# Altium PCB Printing.PcbDoc (part 1 of 5)
Units mil, origin at the board's own origin, x right, y up, seen from the top; angles counter-clockwise.
Board outline 7490 x 7700 mil, 4 copper layers (Top Layer, 5v/3.3V, 24V, Bottom Layer), stack 23.756 mil thick; 442 components, 334 nets, 1379 pads, 508 vias.
Unrouted connection lines stored in the file: 151.
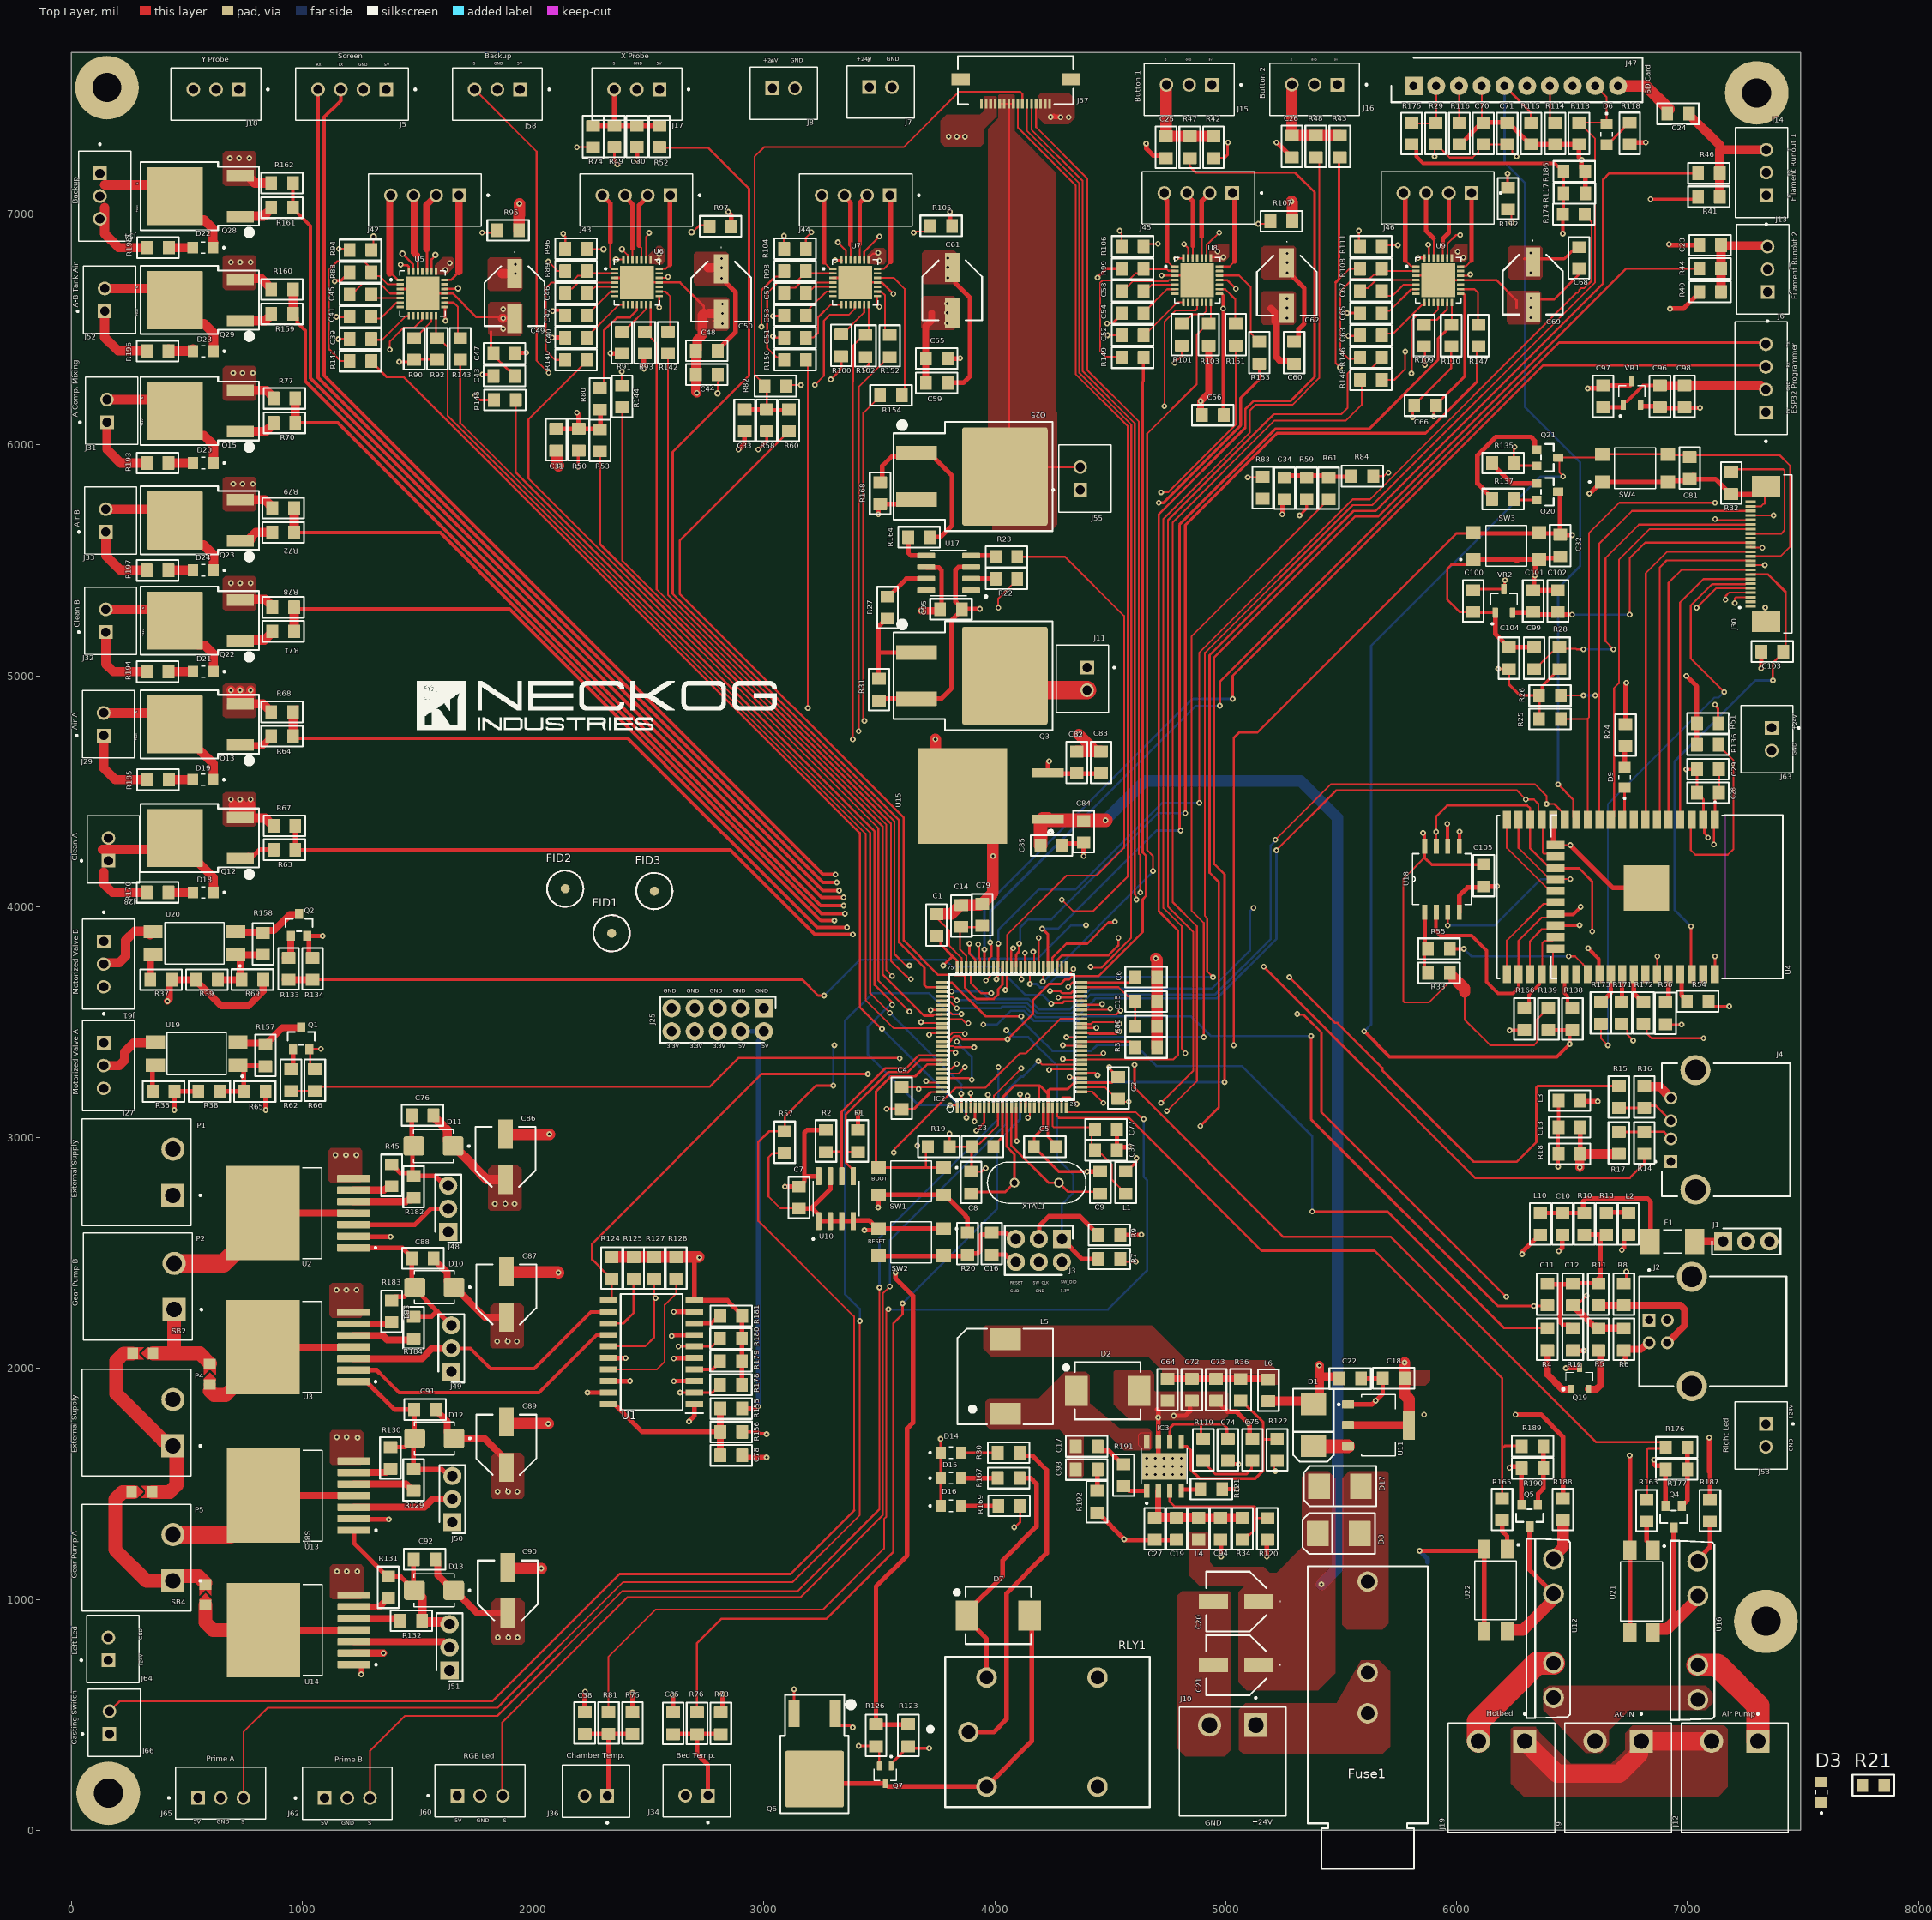
[diagram p0: Top Layer view]
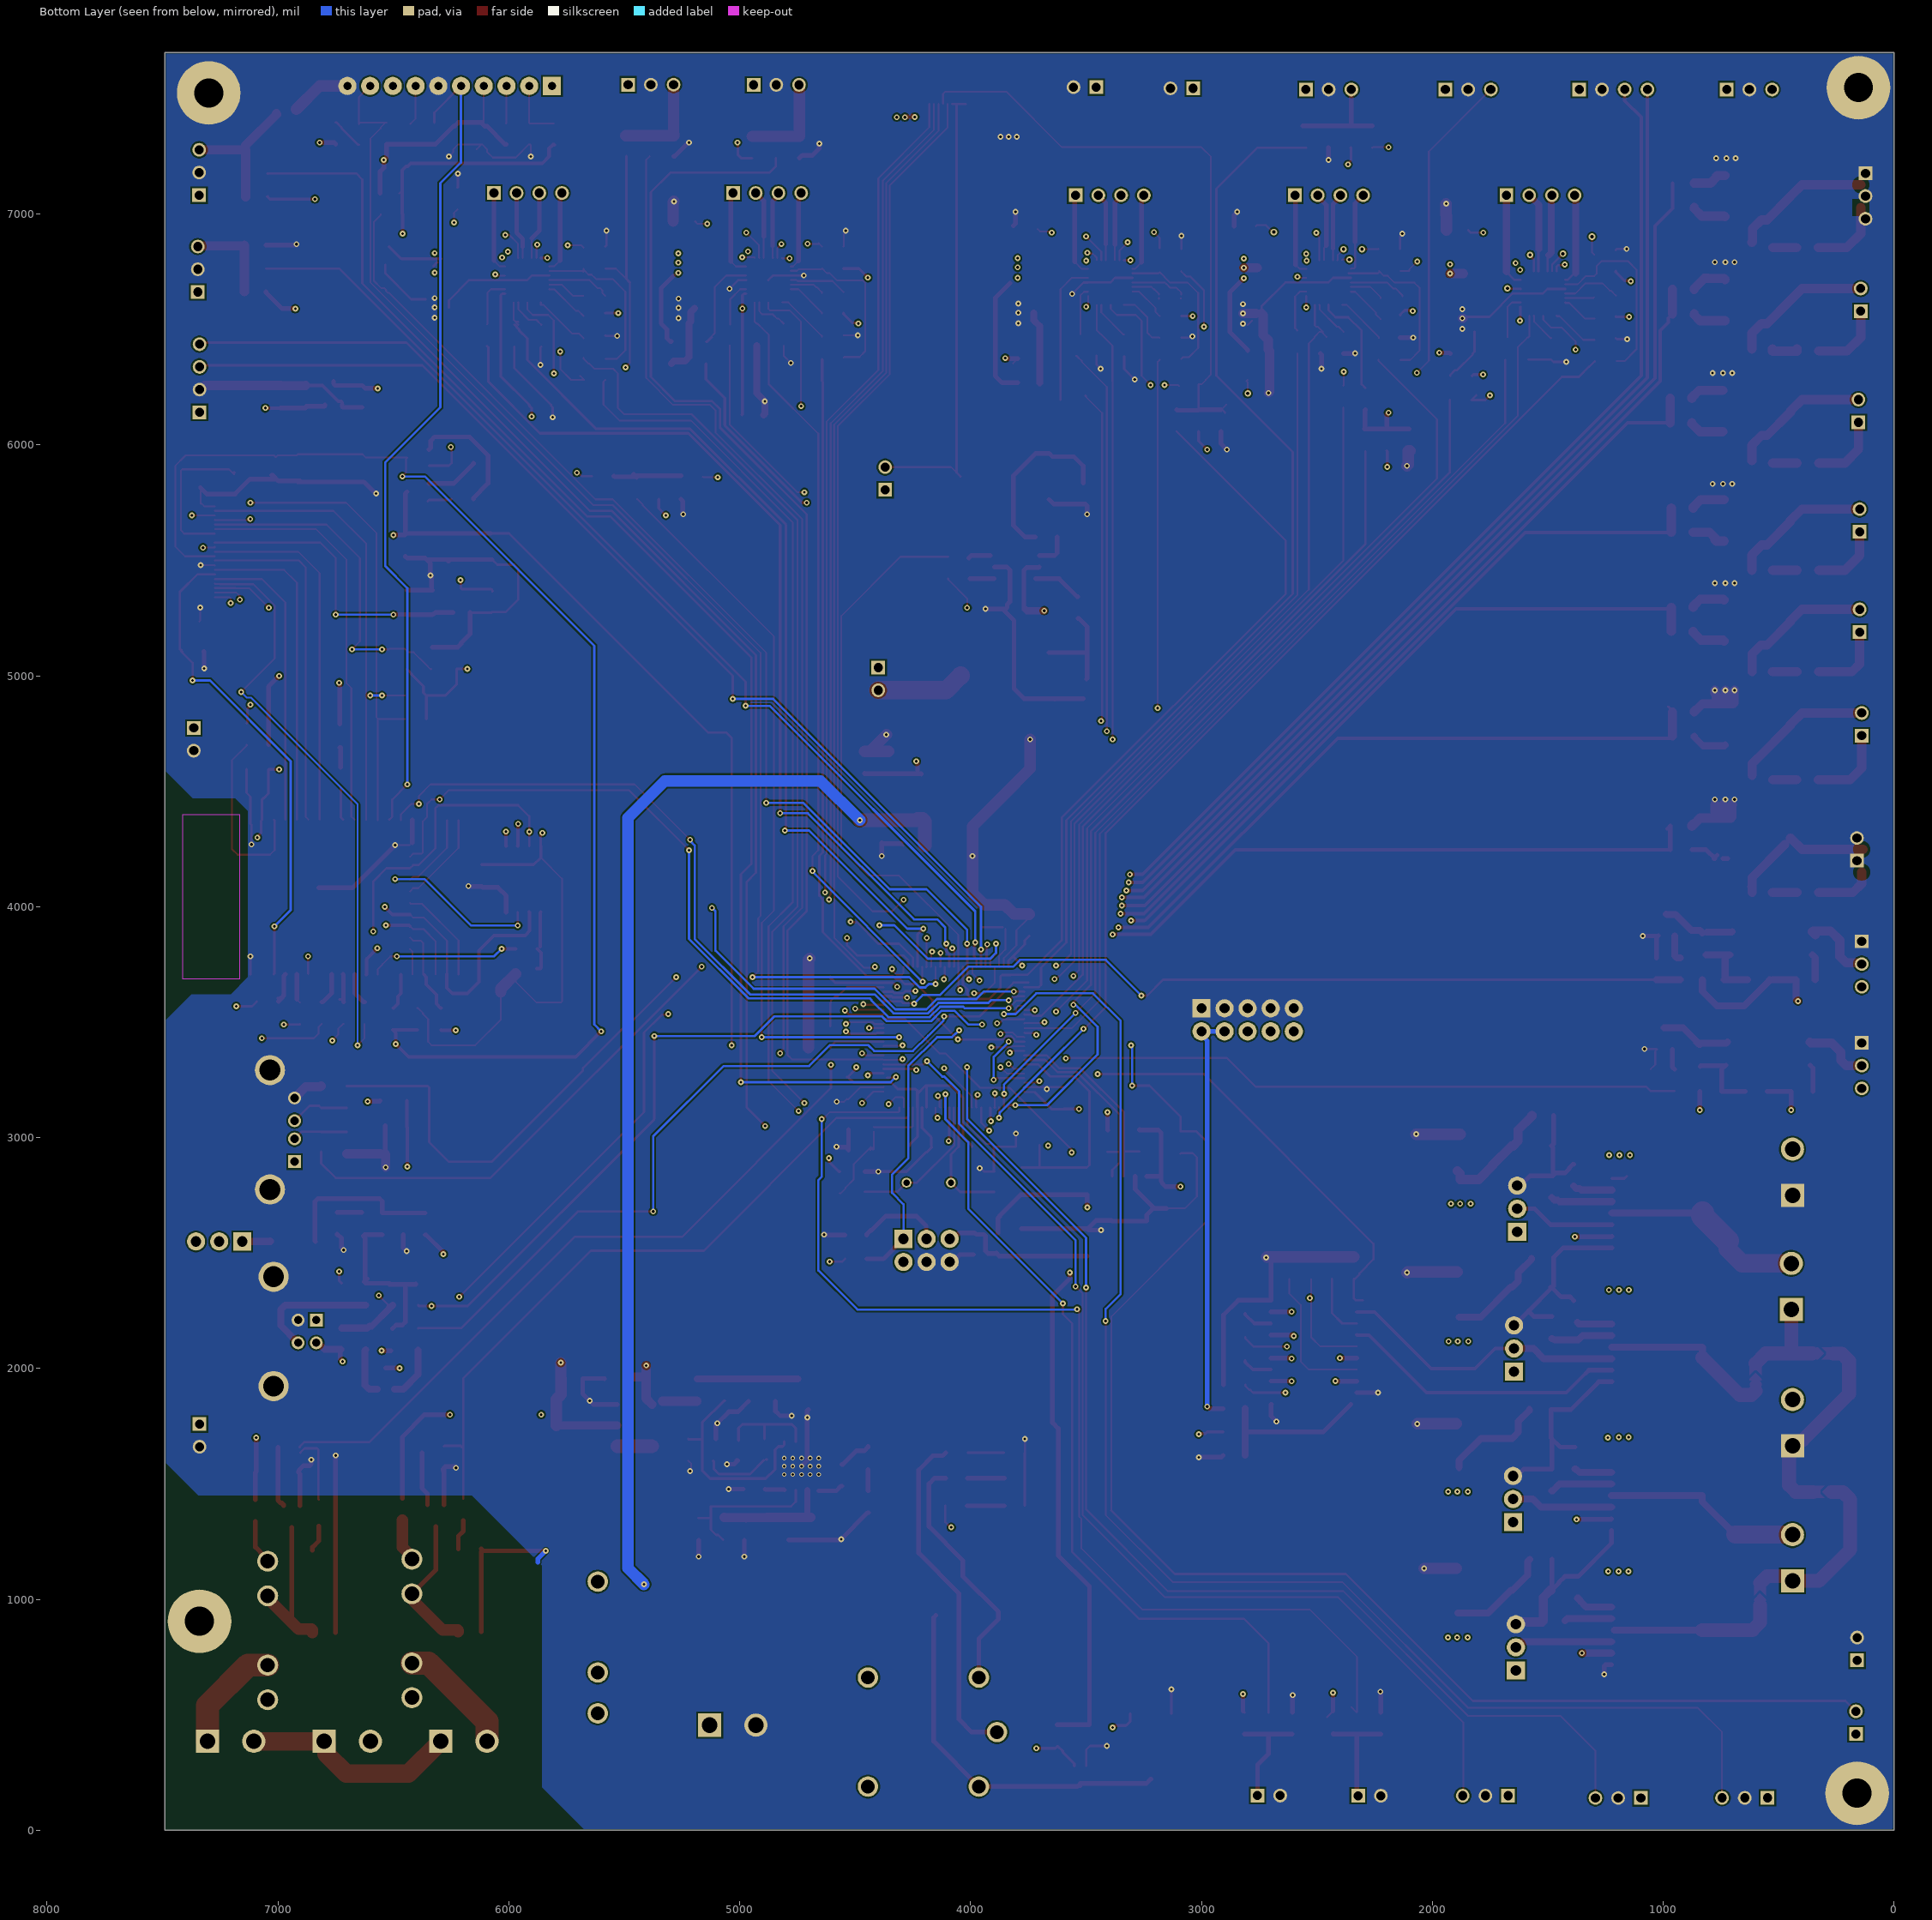
[diagram p1: Bottom Layer view, seen from below]
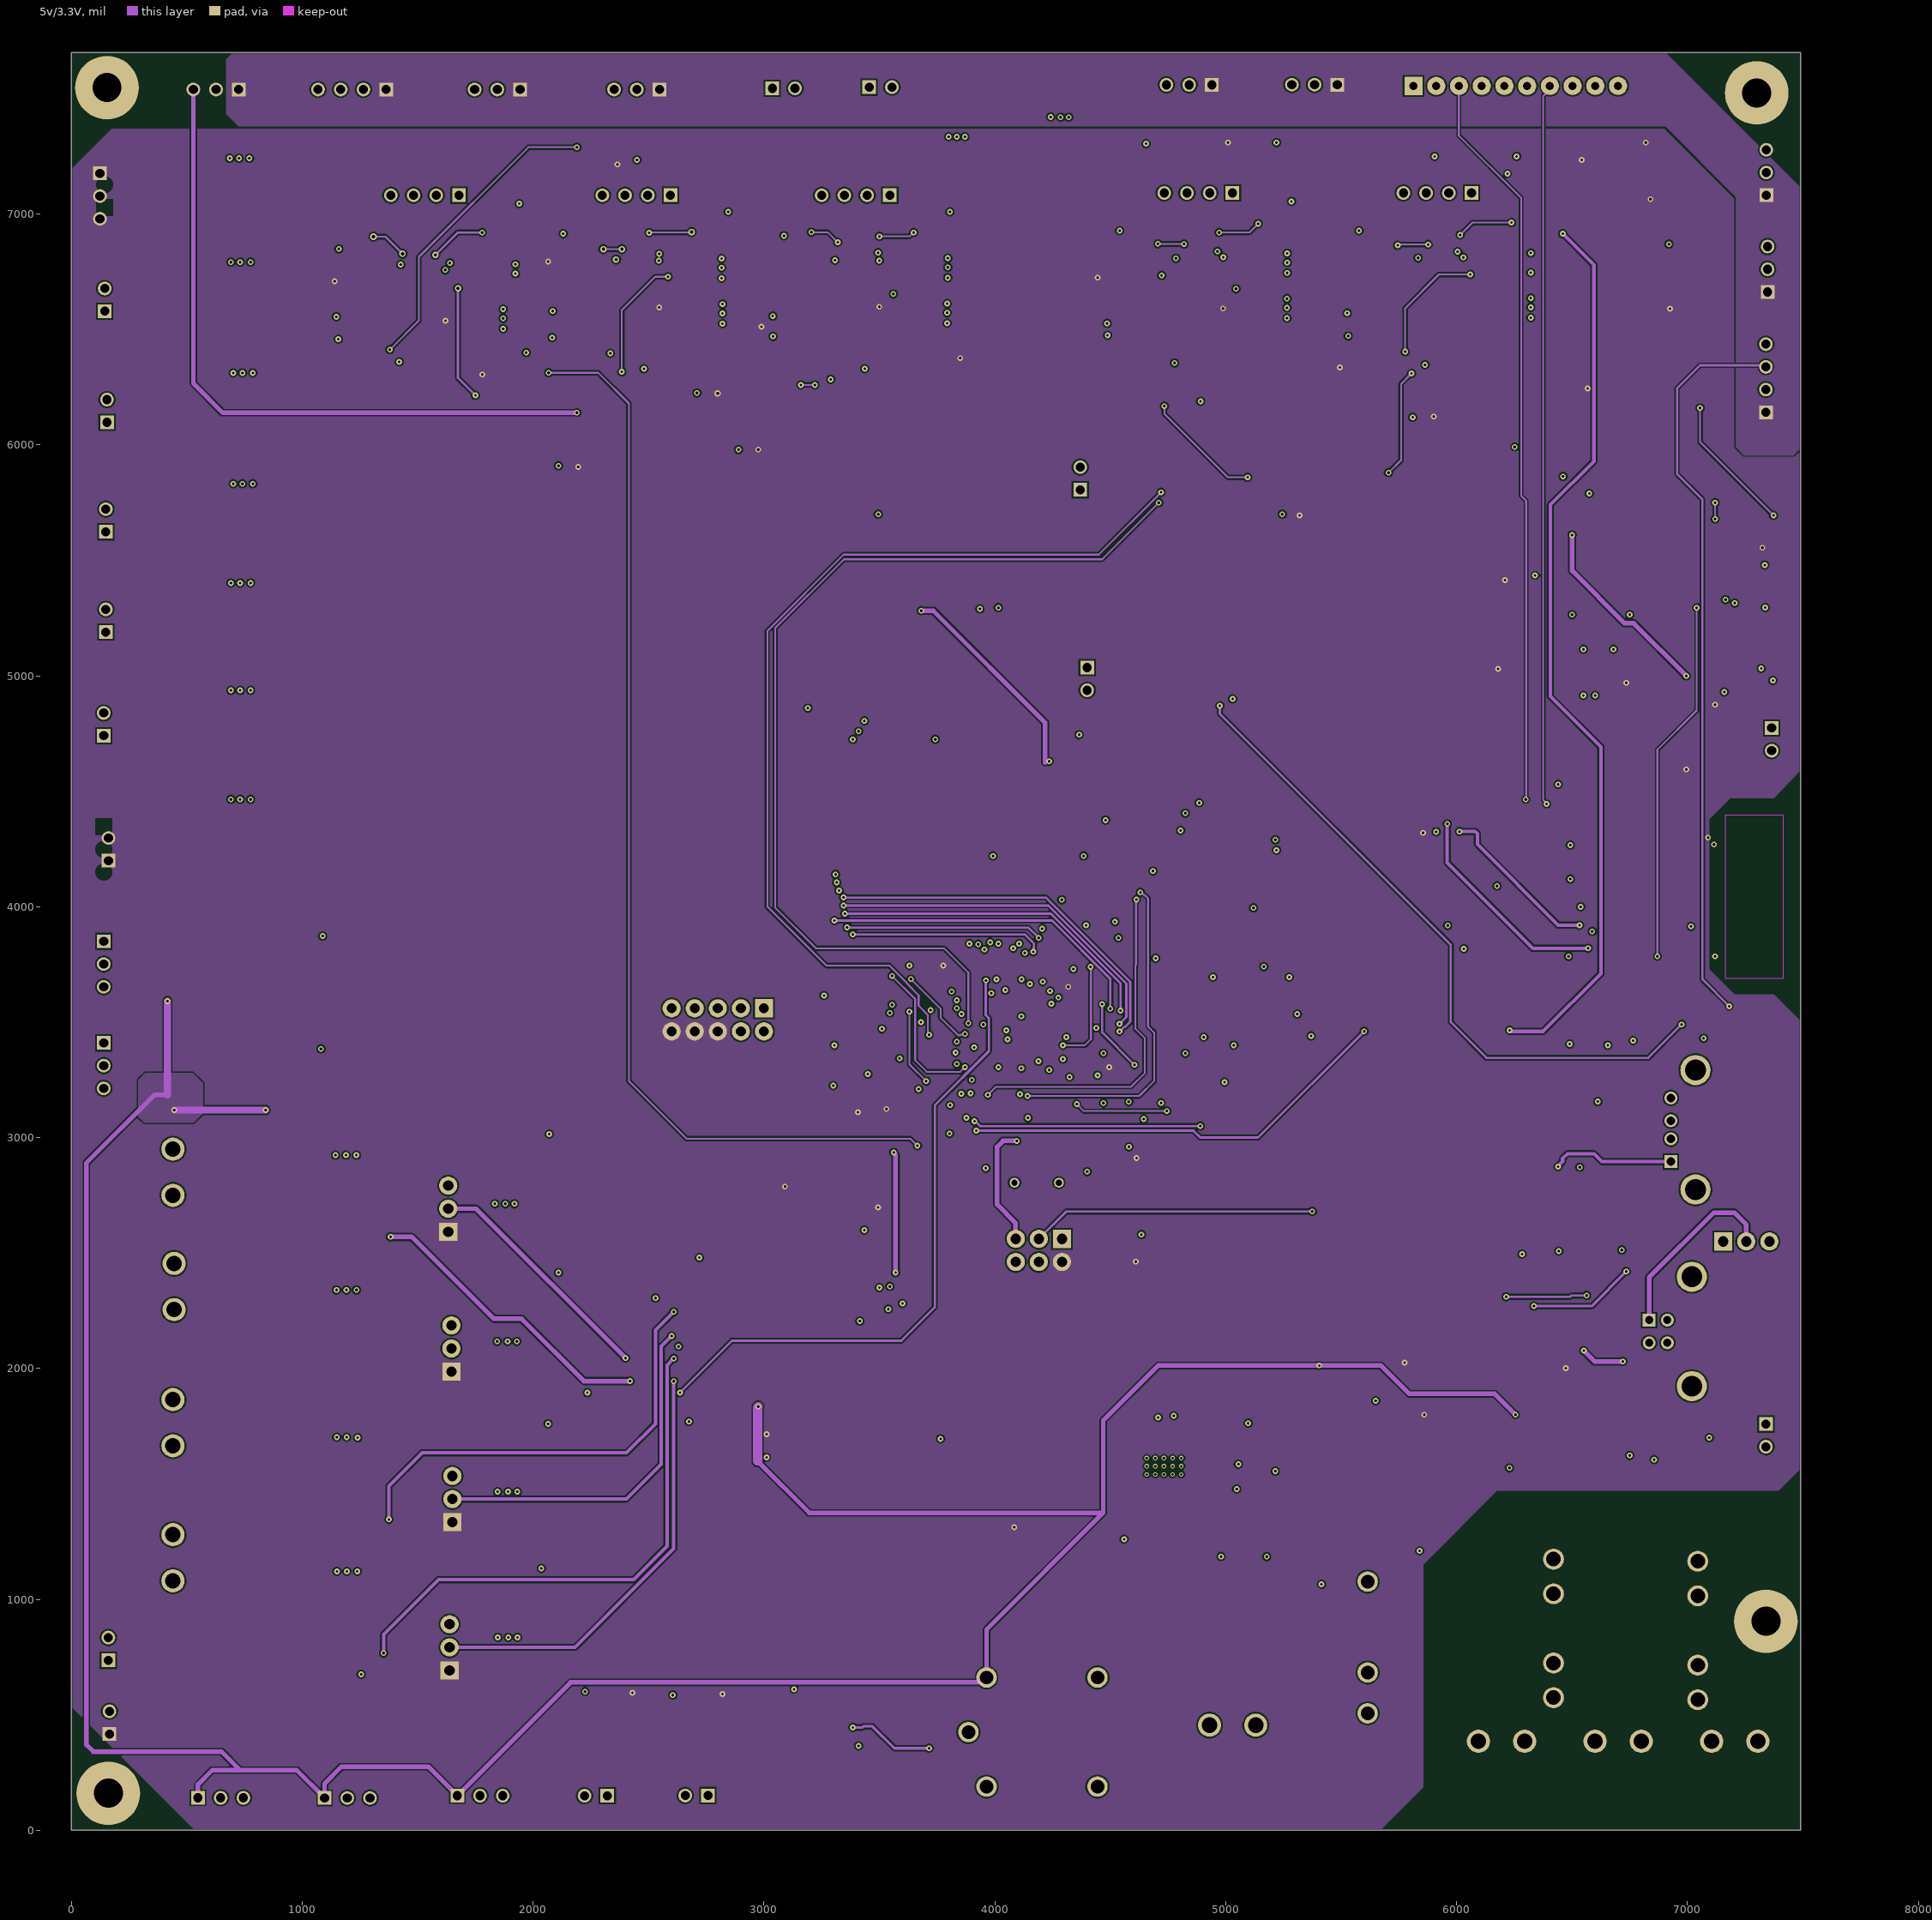
[diagram p2: 5v/3.3V]